# Altium PCB Backend_v2.PcbDoc (part 3 of 3)
Units mm, origin at the board's own origin, x right, y up, seen from the top; angles counter-clockwise.
Board outline 100 x 80 mm, 6 copper layers (Top Layer [SIG], Mid Layer 1 [GND], Mid Layer 2 [SIG], Mid Layer 3 [PWR], Mid Layer 4 [GND], Bottom Layer [SIG]), stack 1.597 mm thick; 265 components, 205 nets, 1102 pads, 716 vias.
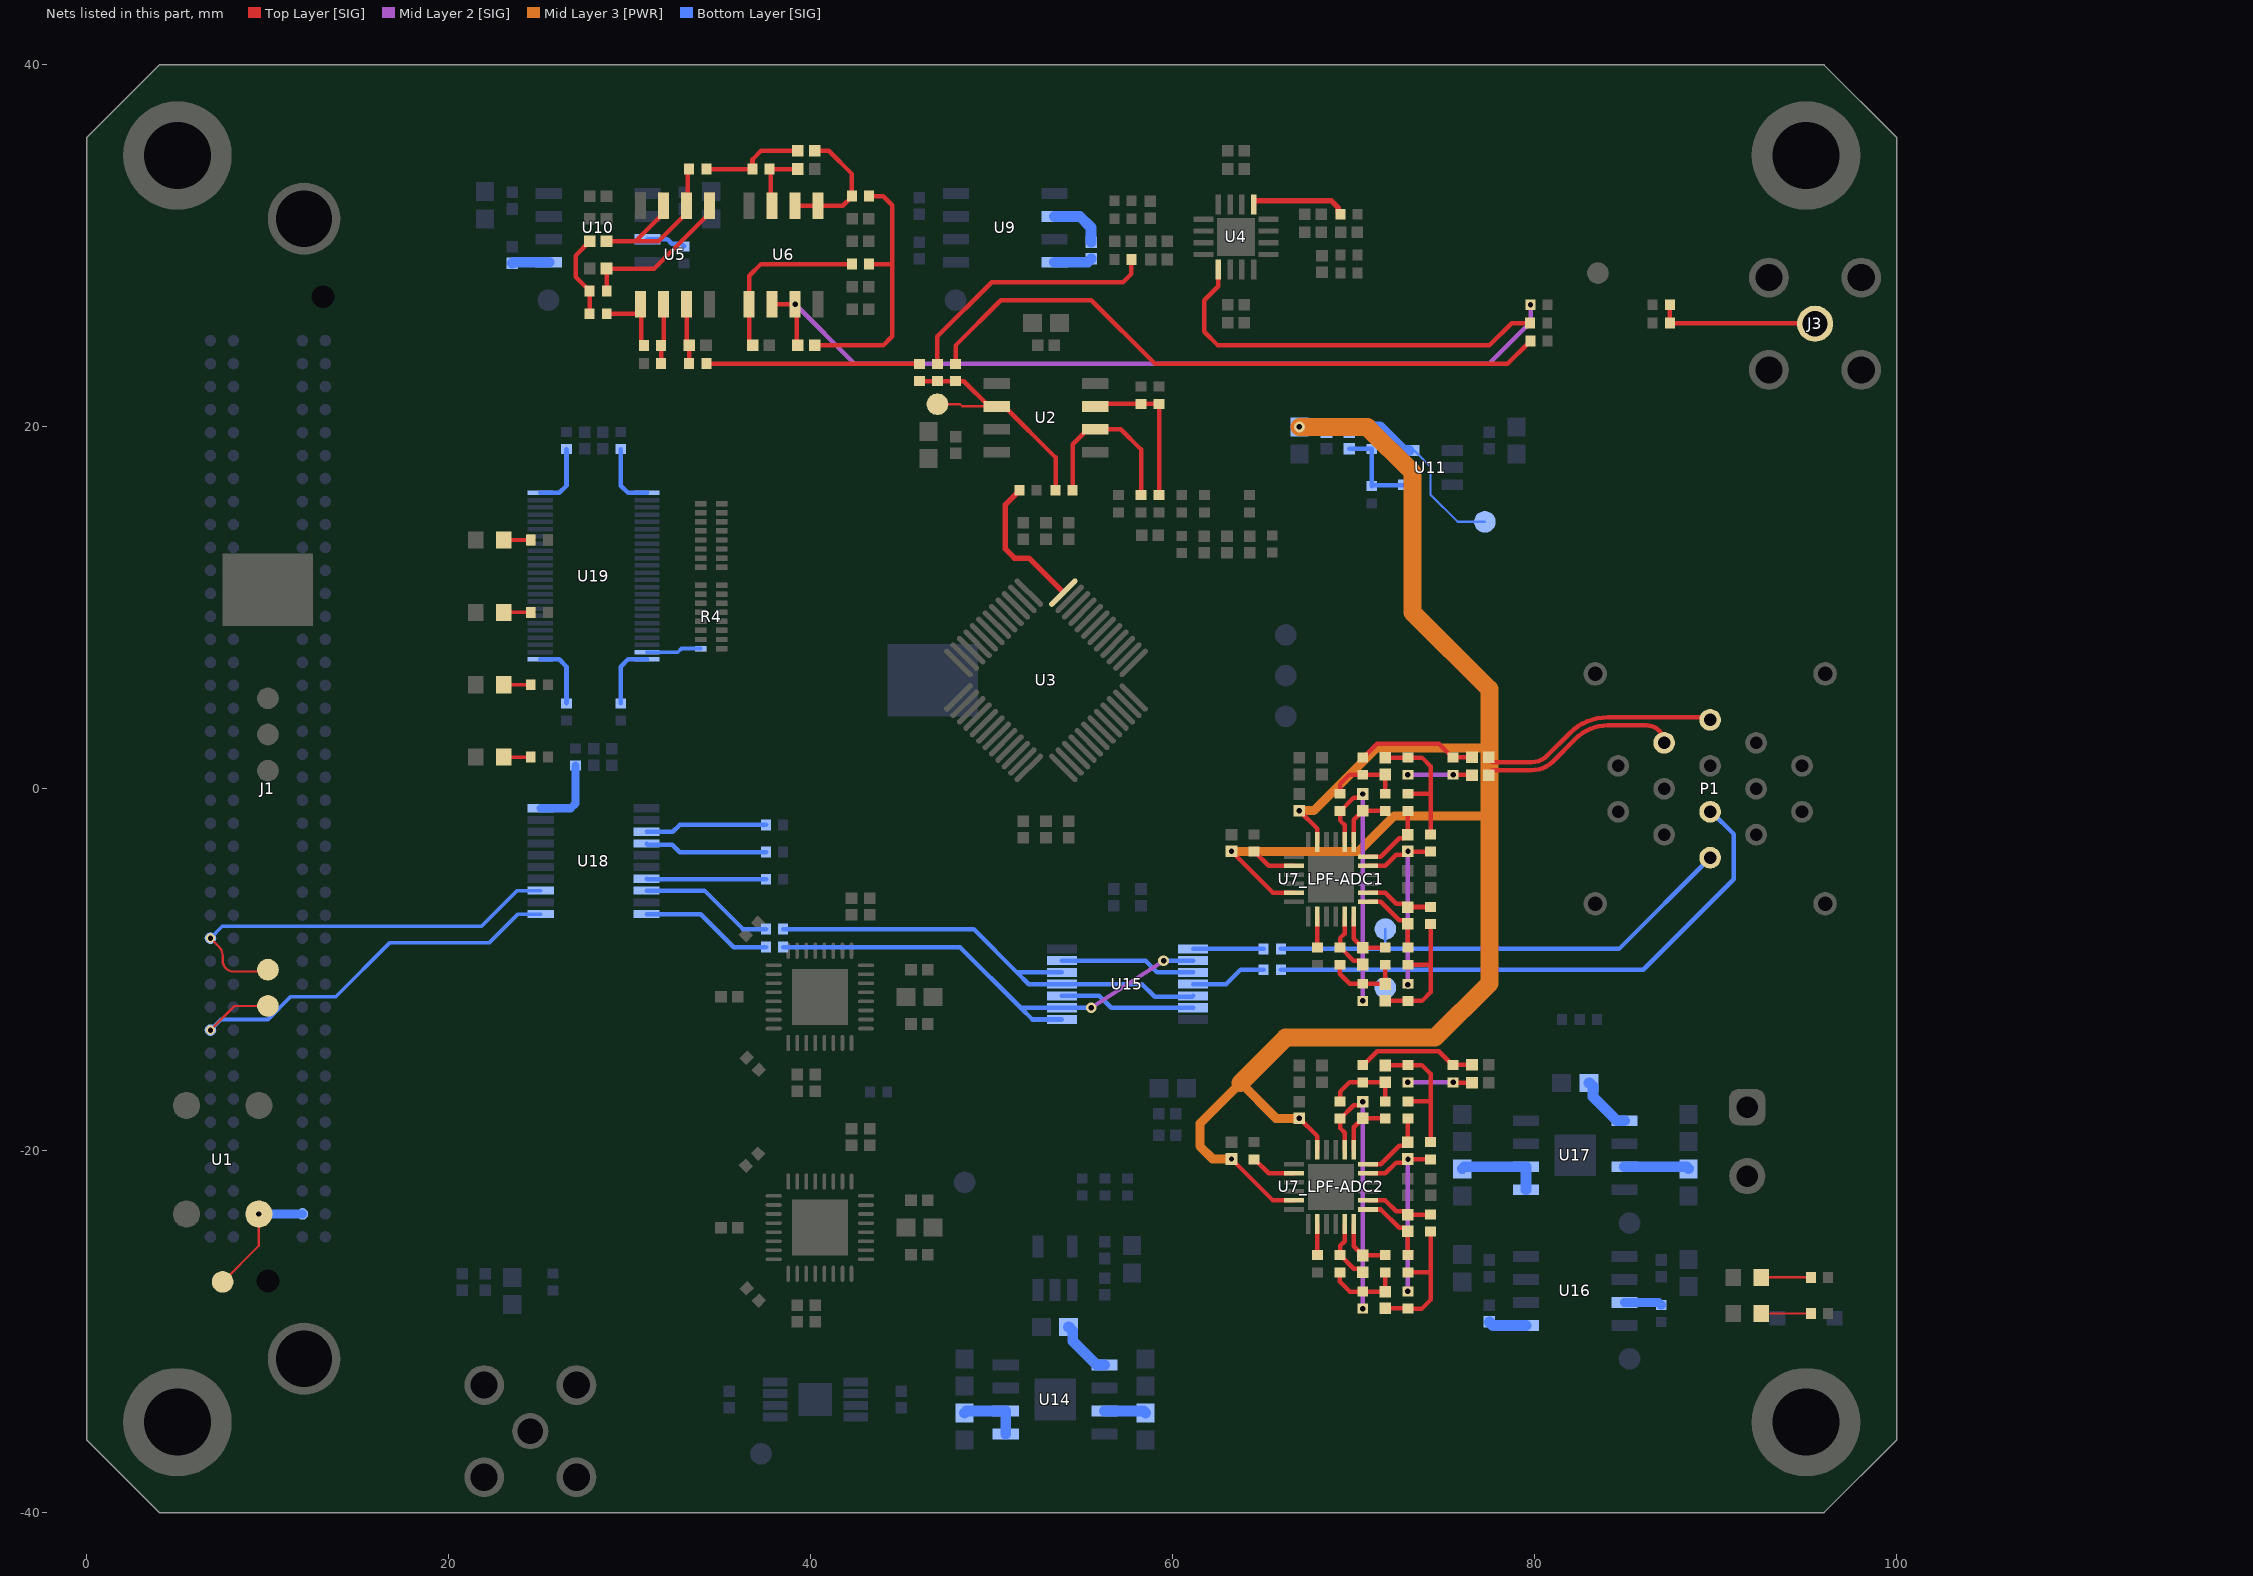
[diagram p7: the nets of this part, all layers, seen from the top]

## Via types
v1: diameter 0.6, hole 0.3, Top Layer [SIG] to Bottom Layer [SIG], tented both sides, 371 vias
v2: diameter 0.5, hole 0.3, Top Layer [SIG] to Bottom Layer [SIG], tented both sides, 244 vias
v3: diameter 0.8, hole 0.4, Top Layer [SIG] to Bottom Layer [SIG], tented both sides, 32 vias
v4: diameter 0.6, hole 0.3, Top Layer [SIG] to Bottom Layer [SIG], tented bottom, 30 vias
v5: diameter 0.45, hole 0.3, Top Layer [SIG] to Bottom Layer [SIG], tented both sides, 27 vias
v6: diameter 0.6, hole 0.3, Top Layer [SIG] to Bottom Layer [SIG], tented top, 12 vias

## Nets (pads, with @x,y where several pads share a name; then routed paths per layer and width w, separated by ;. In a path a pad name is that pad's centre, name@x,y a point inside that pad or via, vN(x,y) a via of type N, cw(c..) or ccw(c..) an arc to the next point about the centre after c; other vN are vias at no path point) (continued)
NetC30_1: C30.1 R31.2 R32.1 | length 4.6
  Top Layer [SIG] w0.25: R31.2@27.775,26.25 R32.1@27.775,27.5 27.775,27.525 27,28.3 27,29.46 C30.1@27.79,30.25
NetC30_2: C30.2 R33.1 U5.6 U5.7 | length 10.2
  Top Layer [SIG] w0.25: C30.2@28.71,30.25 30.315,30.25 ; U5.7@31.865,32.225 31.865,31.8 30.315,30.25 ; R33.1@33.275,34.25 33.205,34.18 33.205,32.295 U5.6@33.135,32.225 33.135,31.8 31.585,30.25 30.315,30.25
NetC31_1: C31.1 R33.2 R34.1 | length 5.8
  Top Layer [SIG] w0.25: R33.2@34.225,34.25 R34.1@36.775,34.25 36.779,34.254 36.779,34.779 37.25,35.25 C31.1@39.29,35.25
NetC31_2: C31.2 R35.1 U6.1 U6.2 | length 7.2
  Top Layer [SIG] w0.25: U6.2@39.135,32.225 U6.1@40.405,32.225 41.775,32.225 42.275,32.725 R35.1@42.275,32.75 42.275,33.975 41,35.25 C31.2@40.21,35.25
NetC32_1: C32.1 R35.2 R36.1 | length 14.5
  Top Layer [SIG] w0.25: C32.1@40.21,24.5 44,24.5 44.5,25 44.5,29 ; R36.1@43.225,29 44.5,29 ; R35.2@43.225,32.75 44,32.75 44.5,32.25 44.5,29
NetC32_2: C32.2 R19.2 U6.6 U6.7 | length 47.5
  Top Layer [SIG] w0.25: U6.6@37.865,26.775 v1(39.135,26.775) 39.212,26.698 39.212,24.577 C32.2@39.29,24.5
  Mid Layer 2 [SIG] w0.25: v1(39.135,26.775) 42.41,23.5 77.5,23.5 79.775,25.775 v2(79.775,26.75)
NetC33_1: C33.1 R30.2 U5.3 | length 3.3
  Top Layer [SIG] w0.25: U5.3@33.135,26.775 33.135,24.655 C33.1@33.29,24.5 33.283,24.492 33.283,23.507 R30.2@33.275,23.5
NetC34_1: C34.1 R32.2 U5.5 | length 8.6
  Top Layer [SIG] w0.25: R32.2@28.725,27.5 28.717,27.508 28.717,28.743 C34.1@28.71,28.75 31.355,28.75 34.405,31.8 U5.5@34.405,32.225
NetC35_1: C35.1 R34.2 U6.3 | length 3.6
  Top Layer [SIG] w0.25: U6.3@37.865,32.225 37.795,32.295 37.795,34.18 R34.2@37.725,34.25 C35.1@39.29,34.25
NetC36_1: C36.1 R36.2 U6.5 | length 9.9
  Top Layer [SIG] w0.25: C36.1@36.79,24.5 36.595,24.695 U6.5@36.595,26.775 36.595,28.345 37.25,29 R36.2@42.275,29
NetC44_LPF-ADC1_2: C44_LPF-ADC1.2 R48_LPF-ADC1.1 R52_LPF-ADC1.2 | length 6.7
  Top Layer [SIG] w0.25: R48_LPF-ADC1.1@70.5,1.725 70.525,1.725 71.3,2.5 74.7,2.5 75.475,1.725 R52_LPF-ADC1.2@75.5,1.725 75.513,1.737 76.527,1.737 C44_LPF-ADC1.2@76.54,1.75
NetC44_LPF-ADC2_2: C44_LPF-ADC2.2 R48_LPF-ADC2.1 R52_LPF-ADC2.2 | length 6.7
  Top Layer [SIG] w0.25: R48_LPF-ADC2.1@70.5,-15.275 70.525,-15.275 71.3,-14.5 74.7,-14.5 75.475,-15.275 R52_LPF-ADC2.2@75.5,-15.275 75.513,-15.262 76.527,-15.262 C44_LPF-ADC2.2@76.54,-15.25
NetC45_LPF-ADC1_1: C45_LPF-ADC1.1 R46_LPF-ADC1.2 R55_LPF-ADC1.1 U7_LPF-ADC1.8 | length 14.9
  Top Layer [SIG] w0.25: U7_LPF-ADC1.8@69.5,-2.95 69.5,-2 69.25,-1.75 R46_LPF-ADC1.2@69.25,-1.225 69.275,-1.225 70.015,-0.485 70.305,-0.485 v1(70.5,-0.29)
  Mid Layer 2 [SIG] w0.25: v2(70.5,-11.725) v1(70.5,-0.29)
NetC45_LPF-ADC1_2: C45_LPF-ADC1.2 R49_LPF-ADC1.2 U7_LPF-ADC1.7 | length 3.2
  Top Layer [SIG] w0.25: U7_LPF-ADC1.7@70,-2.95 70,-2 70,-1.71 C45_LPF-ADC1.2@70.5,-1.21 70.507,-1.218 71.742,-1.218 R49_LPF-ADC1.2@71.75,-1.225
NetC45_LPF-ADC2_1: C45_LPF-ADC2.1 R46_LPF-ADC2.2 R55_LPF-ADC2.1 U7_LPF-ADC2.8 | length 14.9
  Top Layer [SIG] w0.25: U7_LPF-ADC2.8@69.5,-19.95 69.5,-19 69.25,-18.75 R46_LPF-ADC2.2@69.25,-18.225 69.275,-18.225 70.015,-17.485 70.305,-17.485 v1(70.5,-17.29)
  Mid Layer 2 [SIG] w0.25: v2(70.5,-28.725) v1(70.5,-17.29)
NetC45_LPF-ADC2_2: C45_LPF-ADC2.2 R49_LPF-ADC2.2 U7_LPF-ADC2.7 | length 3.2
  Top Layer [SIG] w0.25: U7_LPF-ADC2.7@70,-19.95 70,-19 70,-18.71 C45_LPF-ADC2.2@70.5,-18.21 70.507,-18.217 71.743,-18.217 R49_LPF-ADC2.2@71.75,-18.225
NetC46_LPF-ADC1_1: C46_LPF-ADC1.1 R47_LPF-ADC1.2 U7_LPF-ADC1.2 | length 3.8
  Top Layer [SIG] w0.25: U7_LPF-ADC1.2@70.8,-5.75 71.75,-5.75 72.345,-6.345 72.805,-6.345 C46_LPF-ADC1.1@73,-6.54 73.007,-6.533 74.242,-6.533 R47_LPF-ADC1.2@74.25,-6.525
NetC46_LPF-ADC1_2: C46_LPF-ADC1.2 R51_LPF-ADC1.2 U7_LPF-ADC1.1 | length 4
  Top Layer [SIG] w0.25: U7_LPF-ADC1.1@70.8,-6.25 71.5,-6.25 72.515,-7.265 72.805,-7.265 C46_LPF-ADC1.2@73,-7.46 R51_LPF-ADC1.2@73,-8.775
NetC46_LPF-ADC2_1: C46_LPF-ADC2.1 R47_LPF-ADC2.2 U7_LPF-ADC2.2 | length 3.8
  Top Layer [SIG] w0.25: U7_LPF-ADC2.2@70.8,-22.75 71.75,-22.75 72.345,-23.345 72.805,-23.345 C46_LPF-ADC2.1@73,-23.54 73.008,-23.532 74.243,-23.532 R47_LPF-ADC2.2@74.25,-23.525
NetC46_LPF-ADC2_2: C46_LPF-ADC2.2 R51_LPF-ADC2.2 U7_LPF-ADC2.1 | length 4
  Top Layer [SIG] w0.25: U7_LPF-ADC2.1@70.8,-23.25 71.5,-23.25 72.515,-24.265 72.805,-24.265 C46_LPF-ADC2.2@73,-24.46 R51_LPF-ADC2.2@73,-25.775
NetC47_LPF-ADC1_1: C47_LPF-ADC1.1 R46_LPF-ADC1.1 R48_LPF-ADC1.2 R49_LPF-ADC1.1 | length 4.3
  Top Layer [SIG] w0.25: R46_LPF-ADC1.1@69.25,-0.275 69.25,0.25 69.775,0.775 R48_LPF-ADC1.2@70.5,0.775 70.507,0.782 71.742,0.782 C47_LPF-ADC1.1@71.75,0.79 R49_LPF-ADC1.1@71.75,-0.275
NetC47_LPF-ADC1_2: C47_LPF-ADC1.2 R53_LPF-ADC1.2 R54_LPF-ADC1.1 R57_LPF-ADC1.1 | length 7.7
  Top Layer [SIG] w0.25: C47_LPF-ADC1.2@71.75,1.71 71.757,1.717 72.993,1.717 R53_LPF-ADC1.2@73,1.725 73.775,1.725 74.25,1.25 74.25,-0.275 ; R54_LPF-ADC1.1@73,-0.275 74.25,-0.275 ; R57_LPF-ADC1.1@74.25,-2.525 74.25,-0.275
NetC47_LPF-ADC2_1: C47_LPF-ADC2.1 R46_LPF-ADC2.1 R48_LPF-ADC2.2 R49_LPF-ADC2.1 | length 4.3
  Top Layer [SIG] w0.25: R46_LPF-ADC2.1@69.25,-17.275 69.25,-16.75 69.775,-16.225 R48_LPF-ADC2.2@70.5,-16.225 70.508,-16.217 71.743,-16.217 C47_LPF-ADC2.1@71.75,-16.21 R49_LPF-ADC2.1@71.75,-17.275
NetC47_LPF-ADC2_2: C47_LPF-ADC2.2 R53_LPF-ADC2.2 R54_LPF-ADC2.1 R57_LPF-ADC2.1 | length 7.7
  Top Layer [SIG] w0.25: C47_LPF-ADC2.2@71.75,-15.29 71.758,-15.282 72.993,-15.282 R53_LPF-ADC2.2@73,-15.275 73.775,-15.275 74.25,-15.75 74.25,-17.275 ; R54_LPF-ADC2.1@73,-17.275 74.25,-17.275 ; R57_LPF-ADC2.1@74.25,-19.525 74.25,-17.275
NetC48_LPF-ADC1_1: C48_LPF-ADC1.1 R47_LPF-ADC1.1 R50_LPF-ADC1.2 R51_LPF-ADC1.1 | length 7.7
  Top Layer [SIG] w0.25: C48_LPF-ADC1.1@71.75,-11.71 71.757,-11.718 72.992,-11.718 R50_LPF-ADC1.2@73,-11.725 73.775,-11.725 74.25,-11.25 74.25,-9.725 ; R51_LPF-ADC1.1@73,-9.725 74.25,-9.725 ; R47_LPF-ADC1.1@74.25,-7.475 74.25,-9.725
NetC48_LPF-ADC1_2: C48_LPF-ADC1.2 R55_LPF-ADC1.2 R56_LPF-ADC1.1 R58_LPF-ADC1.1 | length 4.3
  Top Layer [SIG] w0.25: R58_LPF-ADC1.1@69.25,-9.725 69.229,-9.746 69.229,-10.229 69.782,-10.782 71.742,-10.782 C48_LPF-ADC1.2@71.75,-10.79 R56_LPF-ADC1.1@71.75,-9.725
NetC48_LPF-ADC2_1: C48_LPF-ADC2.1 R47_LPF-ADC2.1 R50_LPF-ADC2.2 R51_LPF-ADC2.1 | length 7.7
  Top Layer [SIG] w0.25: C48_LPF-ADC2.1@71.75,-28.71 71.758,-28.717 72.993,-28.717 R50_LPF-ADC2.2@73,-28.725 73.775,-28.725 74.25,-28.25 74.25,-26.725 ; R51_LPF-ADC2.1@73,-26.725 74.25,-26.725 ; R47_LPF-ADC2.1@74.25,-24.475 74.25,-26.725
NetC48_LPF-ADC2_2: C48_LPF-ADC2.2 R55_LPF-ADC2.2 R56_LPF-ADC2.1 R58_LPF-ADC2.1 | length 4.3
  Top Layer [SIG] w0.25: R58_LPF-ADC2.1@69.25,-26.725 69.229,-26.746 69.229,-27.229 69.782,-27.782 71.743,-27.782 C48_LPF-ADC2.2@71.75,-27.79 R56_LPF-ADC2.1@71.75,-26.725
NetC49_LPF-ADC1_2: C49_LPF-ADC1.2 R52_LPF-ADC1.1 R53_LPF-ADC1.1 | length 3.6
  Top Layer [SIG] w0.25: v2(75.5,0.775) 75.512,0.762 76.527,0.762 C49_LPF-ADC1.2@76.54,0.75
  Mid Layer 2 [SIG] w0.25: v2(73,0.775) v2(75.5,0.775)
NetC49_LPF-ADC2_2: C49_LPF-ADC2.2 R52_LPF-ADC2.1 R53_LPF-ADC2.1 | length 3.6
  Top Layer [SIG] w0.25: v2(75.5,-16.225) 75.513,-16.237 76.527,-16.237 C49_LPF-ADC2.2@76.54,-16.25
  Mid Layer 2 [SIG] w0.25: v2(73,-16.225) v2(75.5,-16.225)
NetC50_LPF-ADC1_1: C50_LPF-ADC1.1 R50_LPF-ADC1.1 R57_LPF-ADC1.2 U7_LPF-ADC1.5 | length 11.1
  Top Layer [SIG] w0.25: U7_LPF-ADC1.5@70.8,-4.25 71.75,-4.25 72.345,-3.655 72.805,-3.655 C50_LPF-ADC1.1@73,-3.46 73.007,-3.468 74.242,-3.468 R57_LPF-ADC1.2@74.25,-3.475
  Mid Layer 2 [SIG] w0.25: v2@73.002,-10.773 v1@73.002,-3.466
  other v1: 73.004,-3.464
  other v2: 73,-10.825
NetC50_LPF-ADC1_2: C50_LPF-ADC1.2 R54_LPF-ADC1.2 U7_LPF-ADC1.6 | length 4
  Top Layer [SIG] w0.25: U7_LPF-ADC1.6@70.8,-3.75 71.5,-3.75 72.515,-2.735 72.805,-2.735 C50_LPF-ADC1.2@73,-2.54 R54_LPF-ADC1.2@73,-1.225
NetC50_LPF-ADC2_1: C50_LPF-ADC2.1 R50_LPF-ADC2.1 R57_LPF-ADC2.2 U7_LPF-ADC2.5 | length 11.1
  Top Layer [SIG] w0.25: U7_LPF-ADC2.5@70.8,-21.25 71.75,-21.25 72.345,-20.655 72.805,-20.655 C50_LPF-ADC2.1@73,-20.46 73.008,-20.467 74.243,-20.467 R57_LPF-ADC2.2@74.25,-20.475
  Mid Layer 2 [SIG] w0.25: v2(73,-27.775) 73.002,-27.773 73.002,-20.466 v1(73.004,-20.464)
NetC50_LPF-ADC2_2: C50_LPF-ADC2.2 R54_LPF-ADC2.2 U7_LPF-ADC2.6 | length 4
  Top Layer [SIG] w0.25: U7_LPF-ADC2.6@70.8,-20.75 71.5,-20.75 72.515,-19.735 72.805,-19.735 C50_LPF-ADC2.2@73,-19.54 R54_LPF-ADC2.2@73,-18.225
NetC51_LPF-ADC1_1: C51_LPF-ADC1.1 R58_LPF-ADC1.2 U7_LPF-ADC1.23 | length 3.5
  Top Layer [SIG] w0.25: U7_LPF-ADC1.23@69.5,-7.05 69.5,-8 69.25,-8.25 R58_LPF-ADC1.2@69.25,-8.775 69.275,-8.775 70.015,-9.515 70.305,-9.515 C51_LPF-ADC1.1@70.5,-9.71
NetC51_LPF-ADC1_2: C51_LPF-ADC1.2 R56_LPF-ADC1.2 U7_LPF-ADC1.24 | length 3.2
  Top Layer [SIG] w0.25: U7_LPF-ADC1.24@70,-7.05 70,-8.29 C51_LPF-ADC1.2@70.5,-8.79 70.507,-8.782 71.743,-8.782 R56_LPF-ADC1.2@71.75,-8.775
NetC51_LPF-ADC2_1: C51_LPF-ADC2.1 R58_LPF-ADC2.2 U7_LPF-ADC2.23 | length 3.5
  Top Layer [SIG] w0.25: U7_LPF-ADC2.23@69.5,-24.05 69.5,-25 69.25,-25.25 R58_LPF-ADC2.2@69.25,-25.775 69.275,-25.775 70.015,-26.515 70.305,-26.515 C51_LPF-ADC2.1@70.5,-26.71
NetC51_LPF-ADC2_2: C51_LPF-ADC2.2 R56_LPF-ADC2.2 U7_LPF-ADC2.24 | length 3.2
  Top Layer [SIG] w0.25: U7_LPF-ADC2.24@70,-24.05 70,-25.29 C51_LPF-ADC2.2@70.5,-25.79 70.508,-25.782 71.743,-25.782 R56_LPF-ADC2.2@71.75,-25.775
NetC67_1: C67.1 U9.2 | length 3.1
  Bottom Layer [SIG] w0.6: U9.2@53.475,31.635 54.865,31.635 55.48,31.02 55.48,30.23 C67.1@55.5,30.21
NetC67_2: C67.2 U9.4 | length 2.1
  Bottom Layer [SIG] w0.6: U9.4@53.475,29.095 55.305,29.095 C67.2@55.5,29.29
NetC73_1: C73.1 U10.1 | length 2
  Bottom Layer [SIG] w0.6: C73.1@23.5,29.04 23.555,29.095 U10.1@25.525,29.095
NetC76_2: C76.2 R63.1 R64.2 U11.4 | length 5.4
  Bottom Layer [SIG] w0.25: C76.2@69.75,18.79 69.757,18.782 70.992,18.782 R63.1@71,18.775 R64.2@71,16.725 71.038,16.763 73.012,16.763 U11.4@73.05,16.8
NetC88_1: C88.1 U14.3 | length 2.3
  Bottom Layer [SIG] w0.6: U14.3@56.225,-34.385 58.385,-34.385 C88.1@58.5,-34.5
NetC89_1: C89.1 U14.1 | length 3.2
  Bottom Layer [SIG] w0.6: C89.1@54.25,-29.75 54.275,-29.75 54.475,-29.95 54.475,-30.52 55.8,-31.845 U14.1@56.225,-31.845
NetC90_1: C90.1 U14.5 U14.6 | length 3.6
  Bottom Layer [SIG] w0.6: C90.1@48.5,-34.5 48.615,-34.385 U14.6@50.775,-34.385 U14.5@50.775,-35.655
NetC98_1: C98.1 U16.1 | length 2.1
  Bottom Layer [SIG] w0.6: C98.1@77.5,-29.46 77.695,-29.655 U16.1@79.525,-29.655
NetC100_1: C100.1 U17.3 | length 3.6
  Bottom Layer [SIG] w0.6: U17.3@84.975,-20.885 88.385,-20.885 C100.1@88.5,-21
NetC101_1: C101.1 U17.1 | length 3.2
  Bottom Layer [SIG] w0.6: C101.1@83,-16.25 83.025,-16.25 83.225,-16.45 83.225,-17.02 84.55,-18.345 U17.1@84.975,-18.345
NetC102_1: C102.1 U17.5 U17.6 | length 4.8
  Bottom Layer [SIG] w0.6: C102.1@76,-21 76.115,-20.885 U17.6@79.525,-20.885 U17.5@79.525,-22.155
NetJ1_G2: J1.G2 pad.3@7.5,-27.25 U1.3 | length 7
  Top Layer [SIG] w0.125: pad.3@7.5,-27.25 9.5,-25.25 v1(9.5,-23.5)
  Bottom Layer [SIG] w0.5: v1(9.5,-23.5) 11.9,-23.5 J1.G2@11.905,-23.495
NetJ3_1: J3.1 R40.2 R41.2 | length 9
  Top Layer [SIG] w0.25: R41.2@87.475,26.75 R40.2@87.475,25.75 87.5,25.725 95.475,25.725 J3.1@95.5,25.7
NetLED1_1: LED1.1 R68.1 | length 1.5
  Top Layer [SIG] w0.2: LED1.1@23.025,13.75 R68.1@24.525,13.75
NetLED2_1: LED2.1 R69.1 | length 1.5
  Top Layer [SIG] w0.2: LED2.1@23.025,9.75 R69.1@24.525,9.75
NetLED3_1: LED3.1 R70.1 | length 1.5
  Top Layer [SIG] w0.2: LED3.1@23.025,5.75 R70.1@24.525,5.75
NetLED4_1: LED4.1 R71.1 | length 1.5
  Top Layer [SIG] w0.2: LED4.1@23.025,1.75 R71.1@24.525,1.75
NetLED5_2: LED5.2 R72.1 | length 2.7
  Top Layer [SIG] w0.125: LED5.2@92.525,-29 R72.1@95.275,-29
NetLED6_1: LED6.1 R73.1 | length 2.7
  Top Layer [SIG] w0.125: LED6.1@92.525,-27 R73.1@95.275,-27
NetR2_1: R2.1 R5.1 U2.2 | length 9.6
  Top Layer [SIG] w0.25: R2.1@54.475,16.5 54.475,19.04 55.3,19.865 U2.2@55.725,19.865 57.135,19.865 58.25,18.75 R5.1@58.25,16.225
NetR2_2: pad.3@47,21.25 R2.2 R18.1 R20.2 R22.2 U2.6 | length 14
  Top Layer [SIG] w0.125: pad.3@47,21.25 48.25,21.25 48.365,21.135 49.85,21.135 U2.6@50.275,21.135
  Top Layer [SIG] w0.25: R18.1@46,22.525 R22.2@47,22.525 R20.2@48,22.525 48.46,22.525 U2.6@49.85,21.135 ; U2.6@50.275,21.135 50.7,21.135 53.525,18.31 R2.2@53.525,16.5
NetR4_1: R4.1 U19.23 | length 3.1
  Bottom Layer [SIG] w0.2: U19.23@30.95,7.55 32.65,7.55 32.85,7.75 R4.1@33.925,7.75
NetR6_1: R6.1 R9.2 R11.2 U2.3 | length 8.6
  Top Layer [SIG] w0.25: U2.3@55.725,21.135 55.865,21.275 R11.2@58.25,21.275 R9.2@59.25,21.275 R6.1@59.25,16.225
NetR13_2: R13.2 U3.48 | length 7.8
  Top Layer [SIG] w0.3: R13.2@51.525,16.5 51.525,16.475 50.75,15.7 50.75,13.25 51.25,12.75 52.048,12.75 U3.48@53.955,10.844
NetR18_2: R18.2 R30.1 | length 11.8
  Top Layer [SIG] w0.25: R30.1@34.225,23.5 34.238,23.487 45.988,23.487 R18.2@46,23.475
NetR20_1: R20.1 R21.2 | length 35.8
  Top Layer [SIG] w0.25: R20.1@48,23.475 48,24.5 50.5,27 55.5,27 59,23.5 78.525,23.5 79.6,24.575 79.625,24.575 79.775,24.725 R21.2@79.775,24.75
NetR22_1: R22.1 R26.1 | length 14.5
  Top Layer [SIG] w0.25: R22.1@47,23.475 47,25 50,28 57.25,28 57.721,28.471 57.721,29.246 R26.1@57.725,29.25
NetR23_1: R23.1 U4.5 | length 22.6
  Top Layer [SIG] w0.25: U4.5@62.525,28.7 62.525,27.775 61.75,27 61.75,25.25 62.5,24.5 77.5,24.5 78.733,25.733 R23.1@79.733,25.733
NetR28_1: R28.1 U4.13 | length 5.4
  Top Layer [SIG] w0.3: U4.13@64.475,32.3 64.475,32.5 68.75,32.5 69.15,32.1 69.15,31.875 R28.1@69.275,31.75
NetR31_1: R31.1 R37.2 U5.1 | length 4.6
  Top Layer [SIG] w0.25: R31.1@28.725,26.25 30.42,26.25 30.595,26.425 U5.1@30.595,26.775 30.625,26.745 30.625,24.65 R37.2@30.775,24.5
NetR37_1: R37.1 R38.2 U5.2 | length 3.3
  Top Layer [SIG] w0.25: R38.2@31.725,23.5 R37.1@31.725,24.5 31.865,24.64 U5.2@31.865,26.775
NetR44_LPF-ADC1_1: R44_LPF-ADC1.1 U7_LPF-ADC1.14 | length 2.5
  Top Layer [SIG] w0.25: R44_LPF-ADC1.1@64.5,-3.475 64.525,-3.475 65.3,-4.25 U7_LPF-ADC1.14@66.7,-4.25
NetR44_LPF-ADC2_1: R44_LPF-ADC2.1 U7_LPF-ADC2.14 | length 2.5
  Top Layer [SIG] w0.25: R44_LPF-ADC2.1@64.5,-20.475 64.525,-20.475 65.3,-21.25 U7_LPF-ADC2.14@66.7,-21.25
NetR45_LPF-ADC1_1: R45_LPF-ADC1.1 U7_LPF-ADC1.20 | length 1.7
  Top Layer [SIG] w0.25: R45_LPF-ADC1.1@68,-8.775 U7_LPF-ADC1.20@68,-7.05
NetR45_LPF-ADC2_1: R45_LPF-ADC2.1 U7_LPF-ADC2.20 | length 1.7
  Top Layer [SIG] w0.25: R45_LPF-ADC2.1@68,-25.775 U7_LPF-ADC2.20@68,-24.05
NetR62_1: R62.1 U10.7 | length 2.2
  Bottom Layer [SIG] w0.25: U10.7@30.975,30.365 32.08,30.365 32.325,30.12 32.855,30.12 R62.1@33,29.975
NetR74_1: R74.1 U15.1 | length 3.9
  Bottom Layer [SIG] w0.25: U15.1@61.125,-8.85 R74.1@65.025,-8.85
NetR75_1: R75.1 U15.4 | length 4.2
  Bottom Layer [SIG] w0.25: U15.4@61.125,-10.8 62.95,-10.8 63.75,-10 R75.1@65.025,-10
NetR76_1: R76.1 U16.7 | length 2.1
  Bottom Layer [SIG] w0.5: U16.7@84.975,-28.385 86.835,-28.385 86.975,-28.525 R76.1@87,-28.525
NetR79_1: R79.1 U18.20 | length 7.4
  Bottom Layer [SIG] w0.25: U18.20@30.925,-6.925 33.925,-6.925 35.75,-8.75 R79.1@37.525,-8.75
NetR80_1: R80.1 U18.18 | length 7.5
  Bottom Layer [SIG] w0.25: U18.18@30.925,-5.625 34.125,-5.625 36.25,-7.75 R80.1@37.525,-7.75
NetR81_1: R81.1 U19.48 | length 3.6
  Bottom Layer [SIG] w0.25: U19.48@25.05,16.35 26.1,16.35 26.5,16.75 R81.1@26.5,18.775
NetR82_2: R82.2 U19.1 | length 3.6
  Bottom Layer [SIG] w0.25: R82.2@29.5,18.775 29.5,16.75 29.9,16.35 U19.1@30.95,16.35
NetR83_1: R83.1 U18.17 | length 6.6
  Bottom Layer [SIG] w0.25: U18.17@30.925,-4.975 30.95,-5 R83.1@37.525,-5
NetR84_1: R84.1 U18.14 | length 6.8
  Bottom Layer [SIG] w0.25: U18.14@30.925,-3.025 30.99,-3.09 32.34,-3.09 32.75,-3.5 R84.1@37.525,-3.5
NetR85_1: R85.1 U18.13 | length 6.8
  Bottom Layer [SIG] w0.25: U18.13@30.925,-2.375 32.375,-2.375 32.75,-2 R85.1@37.525,-2
NetR86_1: R86.1 U18.10 | length 4.1
  Bottom Layer [SIG] w0.45: U18.10@25.075,-1.075 26.736,-1.075 27,-0.811 R86.1@27,1.275
NetR87_1: R87.1 U19.25 | length 3.6
  Bottom Layer [SIG] w0.25: U19.25@25.05,7.15 26.1,7.15 26.5,6.75 R87.1@26.5,4.725
NetR88_2: R88.2 U19.24 | length 3.6
  Bottom Layer [SIG] w0.25: R88.2@29.5,4.725 29.5,6.75 29.9,7.15 U19.24@30.95,7.15
NetU15_3: U15.3 U15.13 | length 7.5
  Bottom Layer [SIG] w0.25: U15.13@53.875,-9.5 58.5,-9.5 59.15,-10.15 U15.3@61.125,-10.15
NetU15_6: U15.6 U15.10 | length 7.5
  Bottom Layer [SIG] w0.25: U15.10@53.875,-11.45 55.95,-11.45 56.6,-12.1 U15.6@61.125,-12.1
Q_N: C44_LPF-ADC1.1 P1.8 | length 13.3
  Top Layer [SIG] w0.25: C44_LPF-ADC1.1@77.46,1.75 ccw(c77.735,1.75) 77.735,1.475 79.853,1.475 ccw(c79.853,2.647) 80.682,1.818 81.938,3.074 cw(c84.052,0.96) 84.052,3.95 89.56,3.95 cw(c89.56,3.81) P1.8@89.7,3.81
Q_P: C49_LPF-ADC1.1 P1.9 | length 11.3
  Top Layer [SIG] w0.25: C49_LPF-ADC1.1@77.46,0.75 cw(c77.735,0.75) 77.735,1.025 79.853,1.025 ccw(c79.853,2.647) 81,1.5 82.256,2.756 cw(c84.052,0.96) 84.052,3.5 86.2,3.5 cw(c86.2,2.54) P1.9@87.16,2.54
RX: P1.3 pad.3@71.75,-7.75 R74.2 | length 26.9
  Bottom Layer [SIG] w0.125: 71.75,-8.85 pad.3@71.75,-7.75
  Bottom Layer [SIG] w0.25: R74.2@65.975,-8.85 71.75,-8.85 84.66,-8.85 P1.3@89.7,-3.81
RX_3V3: R80.2 U15.5 U15.11 U15.12 | length 26.7
  Bottom Layer [SIG] w0.25: R80.2@38.475,-7.75 49,-7.75 51.4,-10.15 ; U15.12@53.875,-10.15 51.4,-10.15 ; U15.5@61.125,-11.45 61.075,-11.5 59,-11.5 58.3,-10.8 U15.11@53.875,-10.8 52.05,-10.8 51.4,-10.15
RX_FMC: J1.C14 pad.3@10,-10 U18.3 | length 23.7
  Top Layer [SIG] w0.125: v2(6.825,-8.255) 7.274,-8.704 cw(c6.727,-9.25) 7.5,-9.25 7.5,-9.5 ccw(c8.1,-9.5) 8.1,-10.1 9.9,-10.1 ccw(c9.9,-10) pad.3@10,-10
  Bottom Layer [SIG] w0.2: v2(6.825,-8.255) 7.48,-7.6 21.8,-7.6 23.775,-5.625 U18.3@25.075,-5.625
TX: P1.12 pad.3@71.75,-11 R75.2 | length 32.4
  Bottom Layer [SIG] w0.125: pad.3@71.75,-11 71.75,-10
  Bottom Layer [SIG] w0.25: R75.2@65.975,-10 71.75,-10 86,-10 91,-5 91,-2.5 89.77,-1.27 P1.12@89.7,-1.27